# Altium PCB CHAHARDOLI-7 ADAD METAL.PcbDoc (part 8 of 10)
Units mm, origin at the board's own origin, x right, y up, seen from the top; angles counter-clockwise.
Board outline 151 x 86.38 mm, 2 copper layers (Top Layer, Bottom Layer); 1512 components, 81 nets, 3736 pads, 768 vias.
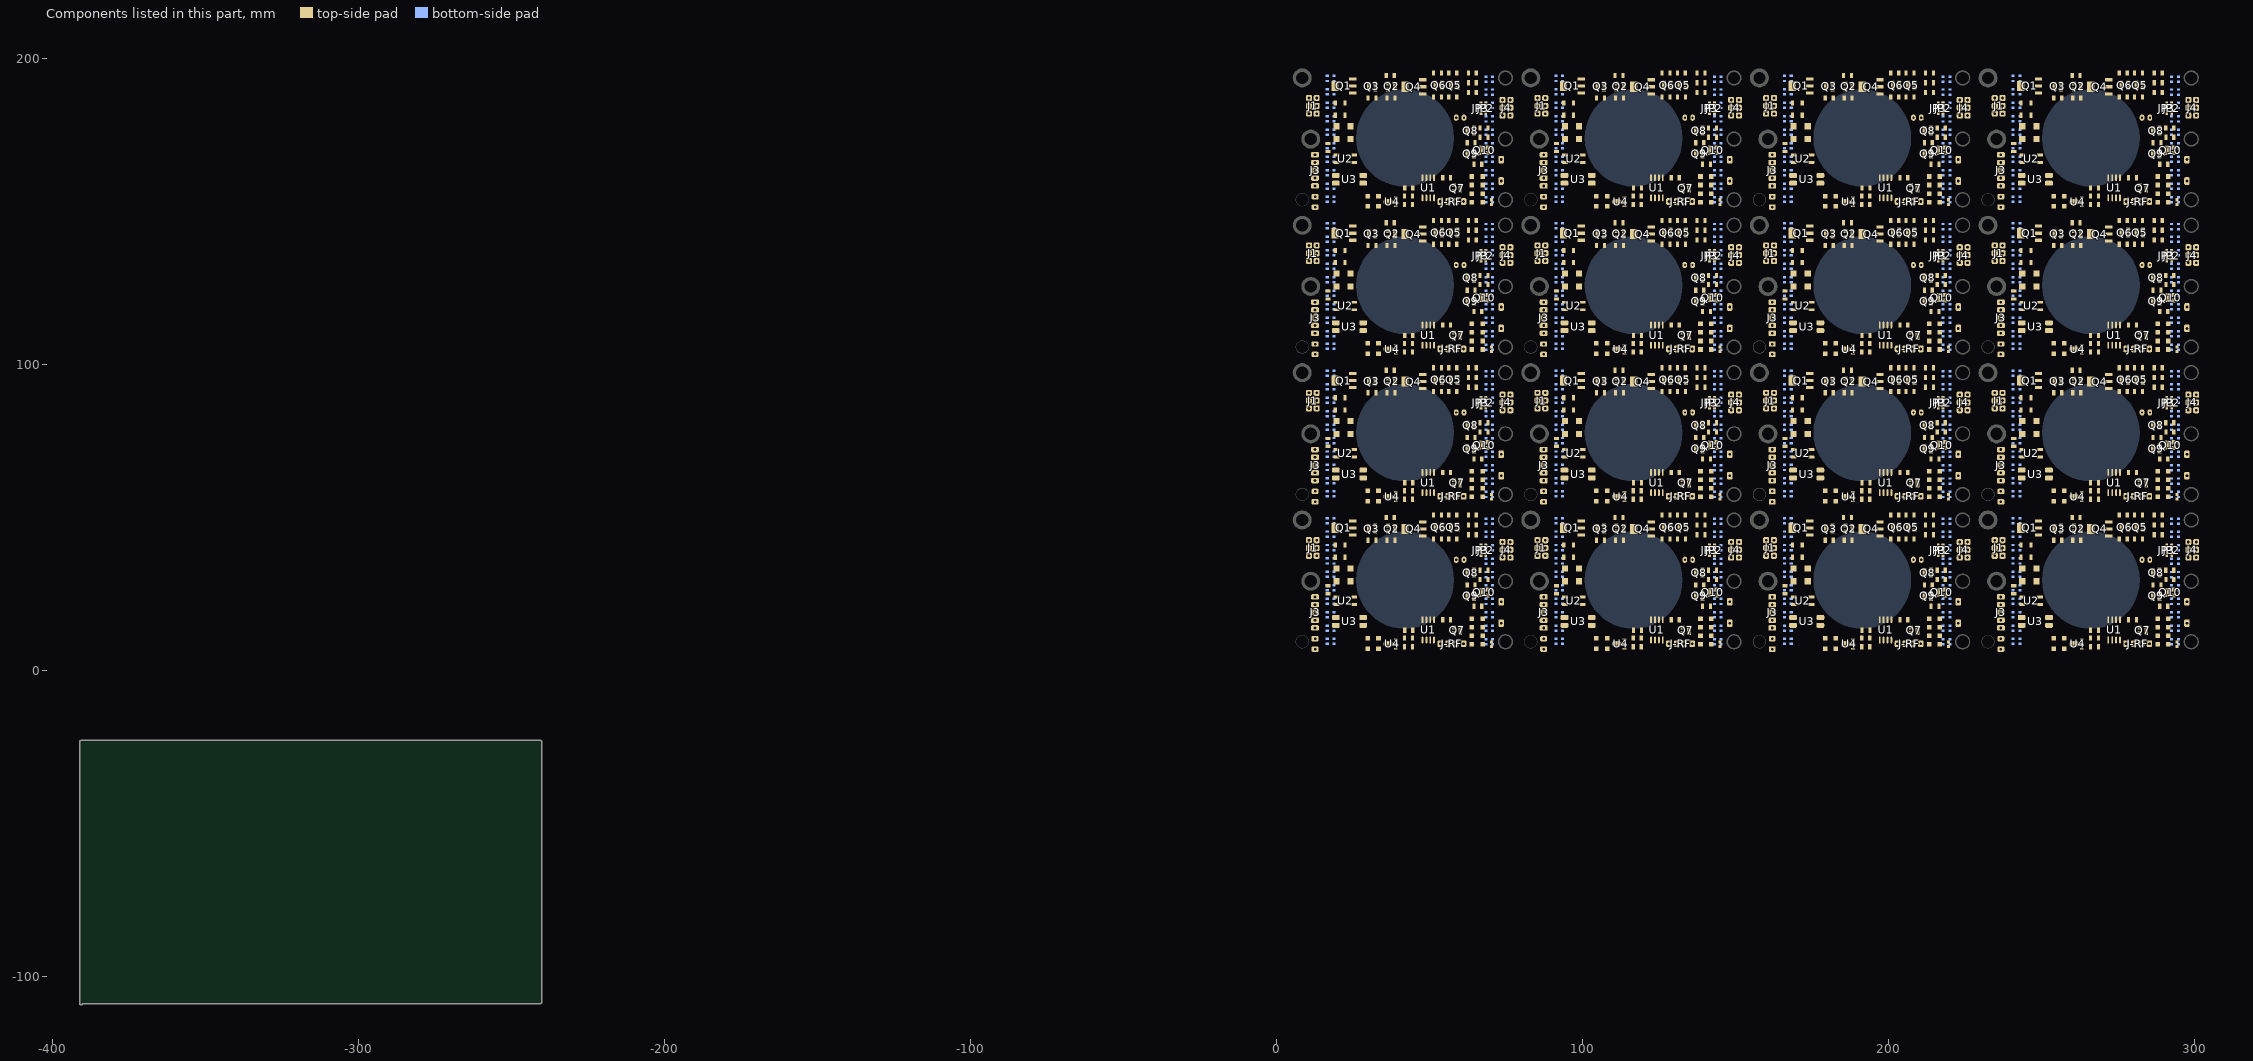
[diagram p8: the components of this part, seen from the top]

## Via types
v1: diameter 1.2, hole 0.6, Top Layer to Bottom Layer, 496 vias
v2: diameter 1, hole 0.6, Top Layer to Bottom Layer, 128 vias
v3: diameter 0.9, hole 0.6, Top Layer to Bottom Layer, 128 vias
v4: diameter 1.27, hole 0.6, Top Layer to Bottom Layer, 16 vias

## Nets (pads, with @x,y where several pads share a name; then routed paths per layer and width w, separated by ;. In a path a pad name is that pad's centre, name@x,y a point inside that pad or via, vN(x,y) a via of type N, cw(c..) or ccw(c..) an arc to the next point about the centre after c; other vN are vias at no path point) (continued)
copper on no net: (continued)
  Bottom Layer w0.4: 165.916,30.505 165.916,29.574 167.012,28.478 167.012,25.21 166.212,24.41 166.212,23.148 ; 165.916,78.65 165.916,77.719 167.012,76.624 167.012,73.355 166.212,72.555 166.212,71.293 ; 165.916,126.796 165.916,125.864 167.012,124.769 167.012,121.5 166.212,120.7 166.212,119.438 ; 165.916,174.941 165.916,174.009 167.012,172.914 167.012,169.645 166.212,168.845 166.212,167.583 ; 167.919,10.541 167.913,10.547 167.913,11.308 167.012,12.21 167.012,15.41 168.112,16.51 168.112,16.898 ; 167.919,58.686 167.913,58.692 167.913,59.453 167.012,60.355 167.012,63.555 168.112,64.655 168.112,65.043 ; 167.919,106.832 167.913,106.837 167.913,107.599 167.012,108.5 167.012,111.7 168.112,112.8 168.112,113.188 ; 167.919,154.977 167.913,154.982 167.913,155.744 167.012,156.645 167.012,159.845 168.112,160.945 168.112,161.333 ; 168.008,36.552 168.008,36.644 168.112,36.748 168.112,37.549 167.012,38.649 167.012,41.918 167.912,42.818 167.912,43.498 168.112,43.698 ; 168.008,84.697 168.008,84.789 168.112,84.893 168.112,85.695 167.012,86.795 167.012,90.063 167.912,90.963 167.912,91.643 168.112,91.843 ; 168.008,132.842 168.008,132.934 168.112,133.038 168.112,133.84 167.012,134.94 167.012,138.208 167.912,139.108 167.912,139.788 168.112,139.988 ; 168.008,180.987 168.008,181.079 168.112,181.183 168.112,181.985 167.012,183.085 167.012,186.353 167.912,187.253 167.912,187.933 168.112,188.133 ; 168.024,18.948 168.024,19.06 168.112,19.148 168.112,19.949 167.012,21.049 167.012,24.01 168.112,25.11 168.112,26.098 ; 168.024,67.093 168.024,67.205 168.112,67.293 168.112,68.095 167.012,69.195 167.012,72.155 168.112,73.255 168.112,74.243 ; 168.024,115.238 168.024,115.351 168.112,115.438 168.112,116.24 167.012,117.34 167.012,120.3 168.112,121.4 168.112,122.388 ; 168.024,163.383 168.024,163.496 168.112,163.583 168.112,164.385 167.012,165.485 167.012,168.445 168.112,169.545 168.112,170.533 ; 168.042,48.11 168.222,47.93 168.892,47.93 169.312,47.51 169.312,41.51 168.905,41.103 168.267,41.103 168.112,40.948 ; 168.042,96.255 168.222,96.075 168.892,96.075 169.312,95.655 169.312,89.655 168.905,89.248 168.267,89.248 168.112,89.093 ; 168.042,144.4 168.222,144.22 168.892,144.22 169.312,143.8 169.312,137.8 168.905,137.393 168.267,137.393 168.112,137.238 ; 168.042,192.545 168.222,192.365 168.892,192.365 169.312,191.945 169.312,185.945 168.905,185.538 168.267,185.538 168.112,185.383 ; 168.112,8.698 168.312,8.898 168.7,8.898 169.747,9.945 171.877,9.945 174.912,6.91 214.512,6.91 215.712,8.11 215.712,43.675 215.759,43.722 215.759,44.04 215.912,44.193 215.912,44.51 216.846,45.444 217.589,45.444 217.712,45.322 ; 168.112,12.898 168.28,12.73 170.223,12.73 175.243,7.71 199.243,7.71 202.043,10.51 212.512,10.51 214.762,12.76 214.762,41.46 214.512,41.71 214.512,45.91 v1(215.912,47.31) 215.912,48.11 217.124,49.322 217.512,49.322 217.712,49.522 ; 168.112,23.348 168.274,23.51 168.912,23.51 169.312,23.91 169.312,29.91 168.912,30.31 168.412,30.31 168.28,30.441 168.28,30.53 ; 168.112,27.748 168.108,27.752 168.108,28.514 167.012,29.61 167.012,33.01 168.112,34.11 168.112,34.898 ; 168.112,32.148 168.274,32.31 168.912,32.31 169.312,32.71 169.312,38.71 168.892,39.13 168.38,39.13 168.228,39.282 ; 168.112,45.748 168.108,45.752 168.108,46.314 167.012,47.41 167.012,49.71 167.012,49.748 168.112,49.748 ; 168.112,56.843 168.312,57.043 168.7,57.043 169.747,58.09 171.877,58.09 174.912,55.055 214.512,55.055 215.712,56.255 215.712,91.821 215.759,91.868 215.759,92.185 215.912,92.338 215.912,92.655 216.846,93.589 217.589,93.589 217.712,93.467 ; 168.112,61.043 168.28,60.875 170.223,60.875 175.243,55.855 199.243,55.855 202.043,58.655 212.512,58.655 214.762,60.905 214.762,89.605 214.512,89.855 214.512,94.055 v1(215.912,95.455) 215.912,96.255 217.124,97.467 217.512,97.467 217.712,97.667 ; 168.112,71.493 168.274,71.655 168.912,71.655 169.312,72.055 169.312,78.055 168.912,78.455 168.412,78.455 168.28,78.587 168.28,78.675 ; 168.112,75.893 168.108,75.897 168.108,76.659 167.012,77.755 167.012,81.155 168.112,82.255 168.112,83.043 ; 168.112,80.293 168.274,80.455 168.912,80.455 169.312,80.855 169.312,86.855 168.892,87.275 168.38,87.275 168.228,87.427 ; 168.112,93.893 168.108,93.897 168.108,94.459 167.012,95.555 167.012,97.855 167.012,97.893 168.112,97.893 ; 168.112,104.988 168.312,105.188 168.7,105.188 169.747,106.235 171.877,106.235 174.912,103.2 214.512,103.2 215.712,104.4 215.712,139.966 215.759,140.013 215.759,140.33 215.912,140.483 215.912,140.8 216.846,141.734 217.589,141.734 217.712,141.612 ; 168.112,109.188 168.28,109.02 170.223,109.02 175.243,104 199.243,104 202.043,106.8 212.512,106.8 214.762,109.05 214.762,137.75 214.512,138 214.512,142.2 v1(215.912,143.6) 215.912,144.4 217.124,145.612 217.512,145.612 217.712,145.812 ; 168.112,119.638 168.274,119.8 168.912,119.8 169.312,120.2 169.312,126.2 168.912,126.6 168.412,126.6 168.28,126.732 168.28,126.82 ; 168.112,124.038 168.108,124.042 168.108,124.804 167.012,125.9 167.012,129.3 168.112,130.4 168.112,131.188 ; 168.112,128.438 168.274,128.6 168.912,128.6 169.312,129 169.312,135 168.892,135.42 168.38,135.42 168.228,135.572 ; 168.112,142.038 168.108,142.042 168.108,142.604 167.012,143.7 167.012,146 167.012,146.038 168.112,146.038 ; 168.112,153.133 168.312,153.333 168.7,153.333 169.747,154.38 171.877,154.38 174.912,151.345 214.512,151.345 215.712,152.545 215.712,188.111 215.759,188.158 215.759,188.475 215.912,188.628 215.912,188.945 216.846,189.879 217.589,189.879 217.712,189.757 ; 168.112,157.333 168.28,157.165 170.223,157.165 175.243,152.145 199.243,152.145 202.043,154.945 212.512,154.945 214.762,157.195 214.762,185.895 214.512,186.145 214.512,190.345 v1(215.912,191.745) 215.912,192.545 217.124,193.757 217.512,193.757 217.712,193.957 ; 168.112,167.783 168.274,167.945 168.912,167.945 169.312,168.345 169.312,174.345 168.912,174.745 168.412,174.745 168.28,174.877 168.28,174.965 ; 168.112,172.183 168.108,172.187 168.108,172.949 167.012,174.045 167.012,177.445 168.112,178.545 168.112,179.333 ; 168.112,176.583 168.274,176.745 168.912,176.745 169.312,177.145 169.312,183.145 168.892,183.565 168.38,183.565 168.228,183.717 ; 168.112,190.183 168.108,190.187 168.108,190.749 167.012,191.845 167.012,194.145 167.012,194.183 168.112,194.183 ; 168.123,21.71 168.304,21.53 168.892,21.53 169.312,21.11 169.312,14.91 168.978,14.575 168.339,14.575 ; 168.123,69.855 168.304,69.675 168.892,69.675 169.312,69.255 169.312,63.055 168.978,62.721 168.339,62.721 ; 168.123,118 168.304,117.82 168.892,117.82 169.312,117.4 169.312,111.2 168.978,110.866 168.339,110.866 ; 168.123,166.145 168.304,165.965 168.892,165.965 169.312,165.545 169.312,159.345 168.978,159.011 168.339,159.011 ; v1(174.212,10.91) 174.537,10.91 174.937,11.31 176.712,11.31 178.612,9.41 198.612,9.41 201.312,12.11 210.112,12.11 213.162,15.16 213.162,38.46 211.312,40.31 211.312,44.11 210.112,45.31 v1(210.112,45.51) 210.312,45.51 216.124,51.322 219.5,51.322 220.112,50.71 220.112,49.522 ; v1(174.212,59.055) 174.537,59.055 174.937,59.455 176.712,59.455 178.612,57.555 198.612,57.555 201.312,60.255 210.112,60.255 213.162,63.305 213.162,86.605 211.312,88.455 211.312,92.255 210.112,93.455 v1(210.112,93.655) 210.312,93.655 216.124,99.467 219.5,99.467 220.112,98.855 220.112,97.667 ; v1(174.212,107.2) 174.537,107.2 174.937,107.6 176.712,107.6 178.612,105.7 198.612,105.7 201.312,108.4 210.112,108.4 213.162,111.45 213.162,134.75 211.312,136.6 211.312,140.4 210.112,141.6 v1(210.112,141.8) 210.312,141.8 216.124,147.612 219.5,147.612 220.112,147 220.112,145.812 ; v1(174.212,155.345) 174.537,155.345 174.937,155.745 176.712,155.745 178.612,153.845 198.612,153.845 201.312,156.545 210.112,156.545 213.162,159.595 213.162,182.895 211.312,184.745 211.312,188.545 210.112,189.745 v1(210.112,189.945) 210.312,189.945 216.124,195.757 219.5,195.757 220.112,195.145 220.112,193.957 ; v1(176.112,9.71) 177.212,8.61 199.012,8.61 201.712,11.31 211.112,11.31 213.962,14.16 213.962,39.68 212.912,40.73 v1(212.912,40.91) ; v1(176.112,57.855) 177.212,56.755 199.012,56.755 201.712,59.455 211.112,59.455 213.962,62.305 213.962,87.825 212.912,88.875 v1(212.912,89.055) ; v1(176.112,106) 177.212,104.9 199.012,104.9 201.712,107.6 211.112,107.6 213.962,110.45 213.962,135.97 212.912,137.02 v1(212.912,137.2) ; v1(176.112,154.145) 177.212,153.045 199.012,153.045 201.712,155.745 211.112,155.745 213.962,158.595 213.962,184.115 212.912,185.165 v1(212.912,185.345) ; v1@212.968,40.965 212.712,41.221 212.712,46.71 216.524,50.522 218.53,50.522 218.812,50.239 218.812,47.172 219.912,46.072 219.912,45.322 ; v1@212.968,89.111 212.712,89.366 212.712,94.855 216.524,98.667 218.53,98.667 218.812,98.385 218.812,95.317 219.912,94.217 219.912,93.467 ; v1@212.968,137.256 212.712,137.511 212.712,143 216.524,146.812 218.53,146.812 218.812,146.53 218.812,143.463 219.912,142.363 219.912,141.612 ; v1@212.968,185.401 212.712,185.656 212.712,191.145 216.524,194.957 218.53,194.957 218.812,194.675 218.812,191.608 219.912,190.508 219.912,189.757 ; 217.512,5.91 217.512,8.51 217.712,8.71 218.578,8.71 ; 217.512,54.055 217.512,56.655 217.712,56.855 218.578,56.855 ; 217.512,102.2 217.512,104.8 217.712,105 218.578,105 ; 217.512,150.345 217.512,152.945 217.712,153.145 218.578,153.145 ; 217.712,8.672 219.912,8.672 ; 217.712,10.322 216.846,10.322 216.612,10.556 216.612,17.075 216.846,17.31 217.712,17.31 ; 217.712,13.083 217.712,12.872 217.712,11.91 218.812,10.81 218.812,8.71 ; 217.712,18.96 216.846,18.96 216.612,19.194 216.612,25.837 216.846,26.072 217.712,26.072 ; 217.712,21.683 217.8,21.683 218.012,21.472 218.012,20.678 218.812,19.878 218.812,16.513 218.012,15.713 218.012,14.833 217.912,14.733 ; 217.712,23.122 217.798,23.207 ; 217.712,27.722 216.846,27.722 216.612,27.956 216.612,34.637 216.846,34.872 217.712,34.872 ; 217.712,30.472 217.712,29.792 218.812,28.692 218.812,25.101 217.798,24.087 217.798,23.407 ; 217.712,32.122 217.712,32.91 218.812,34.01 218.812,37.41 217.712,38.51 217.712,38.872 ; 217.712,36.522 217.629,36.604 216.846,36.604 216.612,36.839 216.612,42.572 217.412,43.372 217.412,43.472 217.612,43.672 217.712,43.672 ; 217.712,40.922 217.712,41.91 218.812,43.01 218.812,45.97 217.712,47.07 217.712,47.672 ; 217.712,56.817 219.912,56.817 ; 217.712,58.467 216.846,58.467 216.612,58.701 216.612,65.221 216.846,65.455 217.712,65.455 ; 217.712,61.228 217.712,61.017 217.712,60.055 218.812,58.955 218.812,56.855 ; 217.712,67.105 216.846,67.105 216.612,67.339 216.612,73.982 216.846,74.217 217.712,74.217 ; 217.712,69.828 217.8,69.828 218.012,69.617 218.012,68.824 218.812,68.024 218.812,64.658 218.012,63.858 218.012,62.978 217.912,62.878 ; 217.712,71.267 217.798,71.352 ; 217.712,75.867 216.846,75.867 216.612,76.101 216.612,82.782 216.846,83.017 217.712,83.017 ; 217.712,78.617 217.712,77.937 218.812,76.837 218.812,73.247 217.798,72.232 217.798,71.552 ; 217.712,80.267 217.712,81.055 218.812,82.155 218.812,85.555 217.712,86.655 217.712,87.017 ; 217.712,84.667 217.629,84.75 216.846,84.75 216.612,84.984 216.612,90.717 217.412,91.517 217.412,91.617 217.612,91.817 217.712,91.817 ; 217.712,89.067 217.712,90.055 218.812,91.155 218.812,94.115 217.712,95.215 217.712,95.817 ; 217.712,104.962 219.912,104.962 ; 217.712,106.612 216.846,106.612 216.612,106.846 216.612,113.366 216.846,113.6 217.712,113.6 ; 217.712,109.374 217.712,109.162 217.712,108.2 218.812,107.1 218.812,105 ; 217.712,115.25 216.846,115.25 216.612,115.484 216.612,122.127 216.846,122.362 217.712,122.362 ; 217.712,117.974 217.8,117.974 218.012,117.762 218.012,116.969 218.812,116.169 218.812,112.804 218.012,112.004 218.012,111.124 217.912,111.024 ; 217.712,119.412 217.798,119.498 ; 217.712,124.012 216.846,124.012 216.612,124.246 216.612,130.927 216.846,131.162 217.712,131.162 ; 217.712,126.762 217.712,126.082 218.812,124.982 218.812,121.392 217.798,120.377 217.798,119.698 ; 217.712,128.412 217.712,129.2 218.812,130.3 218.812,133.7 217.712,134.8 217.712,135.162 ; 217.712,132.812 217.629,132.895 216.846,132.895 216.612,133.129 216.612,138.862 217.412,139.662 217.412,139.762 217.612,139.962 217.712,139.962 ; 217.712,137.212 217.712,138.2 218.812,139.3 218.812,142.26 217.712,143.36 217.712,143.962 ; 217.712,153.107 219.912,153.107 ; 217.712,154.757 216.846,154.757 216.612,154.991 216.612,161.511 216.846,161.745 217.712,161.745 ; 217.712,157.519 217.712,157.307 217.712,156.345 218.812,155.245 218.812,153.145 ; 217.712,163.395 216.846,163.395 216.612,163.629 216.612,170.273 216.846,170.507 217.712,170.507 ; 217.712,166.119 217.8,166.119 218.012,165.907 218.012,165.114 218.812,164.314 218.812,160.949 218.012,160.149 218.012,159.269 217.912,159.169 ; 217.712,167.557 217.798,167.643 ; 217.712,172.157 216.846,172.157 216.612,172.391 216.612,179.073 216.846,179.307 217.712,179.307 ; 217.712,174.907 217.712,174.227 218.812,173.127 218.812,169.537 217.798,168.523 217.798,167.843 ; 217.712,176.557 217.712,177.345 218.812,178.445 218.812,181.845 217.712,182.945 217.712,183.307 ; 217.712,180.957 217.629,181.04 216.846,181.04 216.612,181.274 216.612,187.007 217.412,187.807 217.412,187.907 217.612,188.107 217.712,188.107 ; 217.712,185.357 217.712,186.345 218.812,187.445 218.812,190.405 217.712,191.505 217.712,192.107 ; 219.805,39.31 220.043,39.072 220.55,39.072 221.112,38.51 221.112,32.91 220.524,32.322 220.112,32.322 219.912,32.122 ; 219.805,87.455 220.043,87.217 220.55,87.217 221.112,86.655 221.112,81.055 220.524,80.467 220.112,80.467 219.912,80.267 ; 219.805,135.6 220.043,135.362 220.55,135.362 221.112,134.8 221.112,129.2 220.524,128.612 220.112,128.612 219.912,128.412 ; 219.805,183.745 220.043,183.507 220.55,183.507 221.112,182.945 221.112,177.345 220.524,176.757 220.112,176.757 219.912,176.557 ; 219.912,8.472 220.112,8.672 220.274,8.672 220.474,8.872 221.012,9.41 221.012,12.41 220.538,12.883 220.178,12.883 219.951,13.11 ; 219.912,10.122 219.912,10.91 218.812,12.01 218.812,15.382 219.908,16.478 219.908,17.268 219.912,17.272 ; 219.912,18.922 219.912,19.91 218.812,21.01 218.812,22.673 218.812,23.97 219.912,25.07 219.912,26.072 ; 219.912,23.333 220.1,23.522 220.524,23.522 221.012,24.01 221.012,29.81 220.55,30.272 220.212,30.272 219.992,30.492 219.992,30.509 ; 219.912,27.722 219.748,27.886 219.748,28.887 218.812,29.823 218.812,31.99 218.812,32.77 219.908,33.866 219.908,34.868 219.912,34.872 ; 219.912,36.522 219.912,37.523 218.812,38.623 218.812,41.61 219.912,42.71 219.912,43.672 ; 219.912,40.922 220.112,41.122 220.524,41.122 221.112,41.71 221.112,46.572 220.012,47.672 219.912,47.672 ; 219.912,56.617 220.112,56.817 220.274,56.817 220.474,57.017 221.012,57.555 221.012,60.555 220.538,61.028 220.178,61.028 219.951,61.255 ; 219.912,58.267 219.912,59.055 218.812,60.155 218.812,63.527 219.908,64.623 219.908,65.413 219.912,65.417 ; 219.912,67.067 219.912,68.055 218.812,69.155 218.812,70.818 218.812,72.115 219.912,73.215 219.912,74.217 ; 219.912,71.478 220.1,71.667 220.524,71.667 221.012,72.155 221.012,77.955 220.55,78.417 220.212,78.417 219.992,78.637 219.992,78.654 ; 219.912,75.867 219.748,76.031 219.748,77.032 218.812,77.968 218.812,80.135 218.812,80.915 219.908,82.011 219.908,83.013 219.912,83.017 ; 219.912,84.667 219.912,85.668 218.812,86.768 218.812,89.755 219.912,90.855 219.912,91.817 ; 219.912,89.067 220.112,89.267 220.524,89.267 221.112,89.855 221.112,94.717 220.012,95.817 219.912,95.817 ; 219.912,104.762 220.112,104.962 220.274,104.962 220.474,105.162 221.012,105.7 221.012,108.7 220.538,109.174 220.178,109.174 219.951,109.4 ; 219.912,106.412 219.912,107.2 218.812,108.3 218.812,111.672 219.908,112.768 219.908,113.558 219.912,113.562 ; 219.912,115.212 219.912,116.2 218.812,117.3 218.812,118.963 218.812,120.26 219.912,121.36 219.912,122.362 ; 219.912,119.624 220.1,119.812 220.524,119.812 221.012,120.3 221.012,126.1 220.55,126.562 220.212,126.562 219.992,126.782 219.992,126.799 ; 219.912,124.012 219.748,124.176 219.748,125.177 218.812,126.113 218.812,128.28 218.812,129.06 219.908,130.156 219.908,131.158 219.912,131.162 ; 219.912,132.812 219.912,133.813 218.812,134.913 218.812,137.9 219.912,139 219.912,139.962 ; 219.912,137.212 220.112,137.412 220.524,137.412 221.112,138 221.112,142.862 220.012,143.962 219.912,143.962 ; 219.912,152.907 220.112,153.107 220.274,153.107 220.474,153.307 221.012,153.845 221.012,156.845 220.538,157.319 220.178,157.319 219.951,157.545 ; 219.912,154.557 219.912,155.345 218.812,156.445 218.812,159.817 219.908,160.913 219.908,161.703 219.912,161.707 ; 219.912,163.357 219.912,164.345 218.812,165.445 218.812,167.108 218.812,168.405 219.912,169.505 219.912,170.507 ; 219.912,167.769 220.1,167.957 220.524,167.957 221.012,168.445 221.012,174.245 220.55,174.707 220.212,174.707 219.992,174.927 219.992,174.944 ; 219.912,172.157 219.748,172.321 219.748,173.323 218.812,174.258 218.812,176.426 218.812,177.205 219.908,178.302 219.908,179.303 219.912,179.307 ; 219.912,180.957 219.912,181.958 218.812,183.058 218.812,186.045 219.912,187.145 219.912,188.107 ; 219.912,185.357 220.112,185.557 220.524,185.557 221.112,186.145 221.112,191.007 220.012,192.107 219.912,192.107 ; 219.942,21.71 220.181,21.472 220.55,21.472 221.012,21.01 221.012,15.41 220.535,14.933 220.212,14.933 220.112,14.833 ; 219.942,69.855 220.181,69.617 220.55,69.617 221.012,69.155 221.012,63.555 220.535,63.078 220.212,63.078 220.112,62.978 ; 219.942,118 220.181,117.762 220.55,117.762 221.012,117.3 221.012,111.7 220.535,111.224 220.212,111.224 220.112,111.124 ; 219.942,166.145 220.181,165.907 220.55,165.907 221.012,165.445 221.012,159.845 220.535,159.369 220.212,159.369 220.112,159.269 ; 240.57,39.428 240.9,39.098 240.9,38.318 241.7,37.518 241.7,34.21 240.604,33.114 240.604,32.352 240.6,32.348 ; 240.57,87.573 240.9,87.243 240.9,86.463 241.7,85.663 241.7,82.355 240.604,81.259 240.604,80.497 240.6,80.493 ; 240.57,135.718 240.9,135.388 240.9,134.608 241.7,133.808 241.7,130.5 240.604,129.404 240.604,128.642 240.6,128.638 ; 240.57,183.864 240.9,183.533 240.9,182.753 241.7,181.953 241.7,178.645 240.604,177.549 240.604,176.787 240.6,176.783 ; 240.6,8.698 240.588,8.686 240.588,7.544 241.234,6.898 245.931,6.898 246.565,7.532 246.831,7.532 v1(246.849,7.55) ; 240.6,10.348 240.4,10.548 239.962,10.548 239.5,11.01 239.5,16.61 239.988,17.098 240.4,17.098 240.6,17.298 ; 240.6,12.698 240.88,12.698 240.88,11.898 241.7,11.078 241.7,8.01 242.012,7.698 243.549,7.698 243.56,7.71 244.4,7.71 244.961,8.271 v1(244.961,8.491) ; 240.6,18.948 240.4,19.148 239.962,19.148 239.5,19.61 239.5,25.41 239.988,25.898 240.4,25.898 240.6,26.098 ; 240.6,21.698 240.686,21.612 240.686,20.932 241.7,19.918 241.7,16.649 240.6,15.549 240.6,14.648 240.9,14.348 ; 240.6,27.748 240.4,27.948 239.962,27.948 239.5,28.41 239.5,34.21 239.988,34.698 240.4,34.698 240.6,34.898 ; 240.6,36.548 240.4,36.748 239.962,36.748 239.5,37.21 239.5,43.01 239.988,43.498 240.6,43.498 240.684,43.582 ; 240.6,45.348 240.4,45.548 239.962,45.548 239.4,46.11 239.4,49.475 239.634,49.71 240.562,49.71 240.6,49.748 ; 240.6,48.098 240.6,47.218 241.7,46.118 241.7,43.049 240.6,41.949 240.6,41.148 240.8,40.948 ; 240.6,56.843 240.588,56.831 240.588,55.689 241.234,55.043 245.931,55.043 246.565,55.677 246.831,55.677 v1(246.849,55.695) ; 240.6,58.493 240.4,58.693 239.962,58.693 239.5,59.155 239.5,64.755 239.988,65.243 240.4,65.243 240.6,65.443 ; 240.6,60.843 240.88,60.843 240.88,60.043 241.7,59.224 241.7,56.155 242.012,55.843 243.549,55.843 243.56,55.855 244.4,55.855 244.961,56.416 v1(244.961,56.636) ; 240.6,67.093 240.4,67.293 239.962,67.293 239.5,67.755 239.5,73.555 239.988,74.043 240.4,74.043 240.6,74.243 ; 240.6,69.843 240.686,69.757 240.686,69.077 241.7,68.063 241.7,64.795 240.6,63.695 240.6,62.793 240.9,62.493 ; 240.6,75.893 240.4,76.093 239.962,76.093 239.5,76.555 239.5,82.355 239.988,82.843 240.4,82.843 240.6,83.043 ; 240.6,84.693 240.4,84.893 239.962,84.893 239.5,85.355 239.5,91.155 239.988,91.643 240.6,91.643 240.684,91.727 ; 240.6,93.493 240.4,93.693 239.962,93.693 239.4,94.255 239.4,97.621 239.634,97.855 240.562,97.855 240.6,97.893 ; 240.6,96.243 240.6,95.363 241.7,94.263 241.7,91.195 240.6,90.095 240.6,89.293 240.8,89.093 ; 240.6,104.988 240.588,104.976 240.588,103.834 241.234,103.188 245.931,103.188 246.565,103.822 246.831,103.822 v1(246.849,103.84) ; 240.6,106.638 240.4,106.838 239.962,106.838 239.5,107.3 239.5,112.9 239.988,113.388 240.4,113.388 240.6,113.588 ; 240.6,108.988 240.88,108.988 240.88,108.188 241.7,107.369 241.7,104.3 242.012,103.988 243.549,103.988 243.56,104 244.4,104 244.961,104.561 v1(244.961,104.781) ; 240.6,115.238 240.4,115.438 239.962,115.438 239.5,115.9 239.5,121.7 239.988,122.188 240.4,122.188 240.6,122.388 ; 240.6,117.988 240.686,117.902 240.686,117.223 241.7,116.208 241.7,112.94 240.6,111.84 240.6,110.938 240.9,110.638 ; 240.6,124.038 240.4,124.238 239.962,124.238 239.5,124.7 239.5,130.5 239.988,130.988 240.4,130.988 240.6,131.188 ; 240.6,132.838 240.4,133.038 239.962,133.038 239.5,133.5 239.5,139.3 239.988,139.788 240.6,139.788 240.684,139.872 ; 240.6,141.638 240.4,141.838 239.962,141.838 239.4,142.4 239.4,145.766 239.634,146 240.562,146 240.6,146.038 ; 240.6,144.388 240.6,143.508 241.7,142.408 241.7,139.34 240.6,138.24 240.6,137.438 240.8,137.238 ; 240.6,153.133 240.588,153.121 240.588,151.979 241.234,151.333 245.931,151.333 246.565,151.967 246.831,151.967 v1(246.849,151.985) ; 240.6,154.783 240.4,154.983 239.962,154.983 239.5,155.445 239.5,161.045 239.988,161.533 240.4,161.533 240.6,161.733 ; 240.6,157.133 240.88,157.133 240.88,156.333 241.7,155.514 241.7,152.445 242.012,152.133 243.549,152.133 243.56,152.145 244.4,152.145 244.961,152.706 v1(244.961,152.927) ; 240.6,163.383 240.4,163.583 239.962,163.583 239.5,164.045 239.5,169.845 239.988,170.333 240.4,170.333 240.6,170.533 ; 240.6,166.133 240.686,166.048 240.686,165.368 241.7,164.353 241.7,161.085 240.6,159.985 240.6,159.083 240.9,158.783 ; 240.6,172.183 240.4,172.383 239.962,172.383 239.5,172.845 239.5,178.645 239.988,179.133 240.4,179.133 240.6,179.333 ; 240.6,180.983 240.4,181.183 239.962,181.183 239.5,181.645 239.5,187.445 239.988,187.933 240.6,187.933 240.684,188.017 ; 240.6,189.783 240.4,189.983 239.962,189.983 239.4,190.545 239.4,193.911 239.634,194.145 240.562,194.145 240.6,194.183 ; 240.6,192.533 240.6,191.653 241.7,190.553 241.7,187.485 240.6,186.385 240.6,185.583 240.8,185.383 ; 240.604,30.505 240.604,29.574 241.7,28.478 241.7,25.21 240.9,24.41 240.9,23.148 ; 240.604,78.651 240.604,77.719 241.7,76.624 241.7,73.355 240.9,72.555 240.9,71.293 ; 240.604,126.796 240.604,125.864 241.7,124.769 241.7,121.5 240.9,120.7 240.9,119.438 ; 240.604,174.941 240.604,174.009 241.7,172.914 241.7,169.645 240.9,168.845 240.9,167.583 ; 242.607,10.541 242.601,10.547 242.601,11.308 241.7,12.21 241.7,15.41 242.8,16.51 242.8,16.898 ; 242.607,58.686 242.601,58.692 242.601,59.453 241.7,60.355 241.7,63.555 242.8,64.655 242.8,65.043 ; 242.607,106.832 242.601,106.837 242.601,107.599 241.7,108.5 241.7,111.7 242.8,112.8 242.8,113.188 ; 242.607,154.977 242.601,154.982 242.601,155.744 241.7,156.645 241.7,159.845 242.8,160.945 242.8,161.333 ; 242.696,36.552 242.696,36.644 242.8,36.748 242.8,37.549 241.7,38.649 241.7,41.918 242.6,42.818 242.6,43.498 242.8,43.698 ; 242.696,84.697 242.696,84.789 242.8,84.893 242.8,85.695 241.7,86.795 241.7,90.063 242.6,90.963 242.6,91.643 242.8,91.843 ; 242.696,132.842 242.696,132.934 242.8,133.038 242.8,133.84 241.7,134.94 241.7,138.208 242.6,139.108 242.6,139.788 242.8,139.988 ; 242.696,180.987 242.696,181.079 242.8,181.183 242.8,181.985 241.7,183.085 241.7,186.353 242.6,187.253 242.6,187.933 242.8,188.133 ; 242.712,18.948 242.712,19.06 242.8,19.148 242.8,19.949 241.7,21.049 241.7,24.01 242.8,25.11 242.8,26.098 ; 242.712,67.093 242.712,67.205 242.8,67.293 242.8,68.095 241.7,69.195 241.7,72.155 242.8,73.255 242.8,74.243 ; 242.712,115.238 242.712,115.351 242.8,115.438 242.8,116.24 241.7,117.34 241.7,120.3 242.8,121.4 242.8,122.388 ; 242.712,163.383 242.712,163.496 242.8,163.583 242.8,164.385 241.7,165.485 241.7,168.445 242.8,169.545 242.8,170.533 ; 242.73,48.11 242.91,47.93 243.58,47.93 244,47.51 244,41.51 243.593,41.103 242.955,41.103 242.8,40.948 ; 242.73,96.255 242.91,96.075 243.58,96.075 244,95.655 244,89.655 243.593,89.248 242.955,89.248 242.8,89.093 ; 242.73,144.4 242.91,144.22 243.58,144.22 244,143.8 244,137.8 243.593,137.393 242.955,137.393 242.8,137.238 ; 242.73,192.545 242.91,192.365 243.58,192.365 244,191.945 244,185.945 243.593,185.539 242.955,185.539 242.8,185.383 ; 242.8,8.698 243,8.898 243.388,8.898 244.435,9.945 246.565,9.945 249.6,6.91 289.2,6.91 290.4,8.11 290.4,43.675 290.447,43.722 290.447,44.04 290.6,44.193 290.6,44.51 291.534,45.444 292.277,45.444 292.4,45.322 ; 242.8,12.898 242.968,12.73 244.912,12.73 249.931,7.71 273.931,7.71 276.731,10.51 287.2,10.51 289.45,12.76 289.45,41.46 289.2,41.71 289.2,45.91 v1(290.6,47.31) 290.6,48.11 291.812,49.322 292.2,49.322 292.4,49.522 ; 242.8,23.348 242.962,23.51 243.6,23.51 244,23.91 244,29.91 243.6,30.31 243.1,30.31 242.968,30.441 242.968,30.53 ; 242.8,27.748 242.796,27.752 242.796,28.514 241.7,29.61 241.7,33.01 242.8,34.11 242.8,34.898 ; 242.8,32.148 242.962,32.31 243.6,32.31 244,32.71 244,38.71 243.58,39.13 243.068,39.13 242.916,39.282 ; 242.8,45.748 242.796,45.752 242.796,46.314 241.7,47.41 241.7,49.71 241.7,49.748 242.8,49.748 ; 242.8,56.843 243,57.043 243.388,57.043 244.435,58.09 246.565,58.09 249.6,55.055 289.2,55.055 290.4,56.255 290.4,91.821 290.447,91.868 290.447,92.185 290.6,92.338 290.6,92.655 291.534,93.589 292.277,93.589 292.4,93.467 ; 242.8,61.043 242.968,60.875 244.912,60.875 249.931,55.855 273.931,55.855 276.731,58.655 287.2,58.655 289.45,60.905 289.45,89.605 289.2,89.855 289.2,94.055 v1(290.6,95.455) 290.6,96.255 291.812,97.467 292.2,97.467 292.4,97.667 ; 242.8,71.493 242.962,71.655 243.6,71.655 244,72.055 244,78.055 243.6,78.455 243.1,78.455 242.968,78.587 242.968,78.675 ; 242.8,75.893 242.796,75.897 242.796,76.659 241.7,77.755 241.7,81.155 242.8,82.255 242.8,83.043 ; 242.8,80.293 242.962,80.455 243.6,80.455 244,80.855 244,86.855 243.58,87.275 243.068,87.275 242.916,87.427 ; 242.8,93.893 242.796,93.897 242.796,94.459 241.7,95.555 241.7,97.855 241.7,97.893 242.8,97.893 ; 242.8,104.988 243,105.188 243.388,105.188 244.435,106.235 246.565,106.235 249.6,103.2 289.2,103.2 290.4,104.4 290.4,139.966 290.447,140.013 290.447,140.33 290.6,140.483 290.6,140.8 291.534,141.734 292.277,141.734 292.4,141.612 ; 242.8,109.188 242.968,109.02 244.912,109.02 249.931,104 273.931,104 276.731,106.8 287.2,106.8 289.45,109.05 289.45,137.75 289.2,138 289.2,142.2 v1(290.6,143.6) 290.6,144.4 291.812,145.612 292.2,145.612 292.4,145.812 ; 242.8,119.638 242.962,119.8 243.6,119.8 244,120.2 244,126.2 243.6,126.6 243.1,126.6 242.968,126.732 242.968,126.82 ; 242.8,124.038 242.796,124.042 242.796,124.804 241.7,125.9 241.7,129.3 242.8,130.4 242.8,131.188 ; 242.8,128.438 242.962,128.6 243.6,128.6 244,129 244,135 243.58,135.42 243.068,135.42 242.916,135.572 ; 242.8,142.038 242.796,142.042 242.796,142.604 241.7,143.7 241.7,146 241.7,146.038 242.8,146.038 ; 242.8,153.133 243,153.333 243.388,153.333 244.435,154.38 246.565,154.38 249.6,151.345 289.2,151.345 290.4,152.545 290.4,188.111 290.447,188.158 290.447,188.475 290.6,188.628 290.6,188.945 291.534,189.879 292.277,189.879 292.4,189.757 ; 242.8,157.333 242.968,157.165 244.912,157.165 249.931,152.145 273.931,152.145 276.731,154.945 287.2,154.945 289.45,157.195 289.45,185.895 289.2,186.145 289.2,190.345 v1(290.6,191.745) 290.6,192.545 291.812,193.757 292.2,193.757 292.4,193.957 ; 242.8,167.783 242.962,167.945 243.6,167.945 244,168.345 244,174.345 243.6,174.745 243.1,174.745 242.968,174.877 242.968,174.965 ; 242.8,172.183 242.796,172.187 242.796,172.949 241.7,174.045 241.7,177.445 242.8,178.545 242.8,179.333 ; 242.8,176.583 242.962,176.745 243.6,176.745 244,177.145 244,183.145 243.58,183.565 243.068,183.565 242.916,183.717 ; 242.8,190.183 242.796,190.187 242.796,190.749 241.7,191.845 241.7,194.145 241.7,194.183 242.8,194.183 ; 242.812,21.71 242.992,21.53 243.58,21.53 244,21.11 244,14.91 243.666,14.575 243.027,14.575 ; 242.812,69.855 242.992,69.675 243.58,69.675 244,69.255 244,63.055 243.666,62.721 243.027,62.721 ; 242.812,118 242.992,117.82 243.58,117.82 244,117.4 244,111.2 243.666,110.866 243.027,110.866 ; 242.812,166.145 242.992,165.965 243.58,165.965 244,165.545 244,159.345 243.666,159.011 243.027,159.011 ; v1(248.9,10.91) 249.225,10.91 249.625,11.31 251.4,11.31 253.3,9.41 273.3,9.41 276,12.11 284.8,12.11 287.85,15.16 287.85,38.46 286,40.31 286,44.11 284.8,45.31 v1(284.8,45.51) 285,45.51 290.812,51.322 294.188,51.322 294.8,50.71 294.8,49.522 ; v1(248.9,59.055) 249.225,59.055 249.625,59.455 251.4,59.455 253.3,57.555 273.3,57.555 276,60.255 284.8,60.255 287.85,63.305 287.85,86.605 286,88.455 286,92.255 284.8,93.455 v1(284.8,93.655) 285,93.655 290.812,99.467 294.188,99.467 294.8,98.855 294.8,97.667 ; v1(248.9,107.2) 249.225,107.2 249.625,107.6 251.4,107.6 253.3,105.7 273.3,105.7 276,108.4 284.8,108.4 287.85,111.45 287.85,134.75 286,136.6 286,140.4 284.8,141.6 v1(284.8,141.8) 285,141.8 290.812,147.612 294.188,147.612 294.8,147 294.8,145.812 ; v1(248.9,155.345) 249.225,155.345 249.625,155.745 251.4,155.745 253.3,153.845 273.3,153.845 276,156.545 284.8,156.545 287.85,159.595 287.85,182.895 286,184.745 286,188.545 284.8,189.745 v1(284.8,189.945) 285,189.945 290.812,195.757 294.188,195.757 294.8,195.145 294.8,193.957 ; v1(250.8,9.71) 251.9,8.61 273.7,8.61 276.4,11.31 285.8,11.31 288.65,14.16 288.65,39.68 287.6,40.73 v1(287.6,40.91) ; v1(250.8,57.855) 251.9,56.755 273.7,56.755 276.4,59.455 285.8,59.455 288.65,62.305 288.65,87.825 287.6,88.875 v1(287.6,89.055) ; v1(250.8,106) 251.9,104.9 273.7,104.9 276.4,107.6 285.8,107.6 288.65,110.45 288.65,135.97 287.6,137.02 v1(287.6,137.2) ; v1(250.8,154.145) 251.9,153.045 273.7,153.045 276.4,155.745 285.8,155.745 288.65,158.595 288.65,184.115 287.6,185.165 v1(287.6,185.345) ; v1@287.656,40.965 287.4,41.221 287.4,46.71 291.212,50.522 293.218,50.522 293.5,50.239 293.5,47.172 294.6,46.072 294.6,45.322 ; v1@287.656,89.111 287.4,89.366 287.4,94.855 291.212,98.667 293.218,98.667 293.5,98.385 293.5,95.317 294.6,94.217 294.6,93.467 ; v1@287.656,137.256 287.4,137.511 287.4,143 291.212,146.812 293.218,146.812 293.5,146.53 293.5,143.463 294.6,142.363 294.6,141.612 ; v1@287.656,185.401 287.4,185.656 287.4,191.145 291.212,194.957 293.218,194.957 293.5,194.675 293.5,191.608 294.6,190.508 294.6,189.757 ; 292.2,5.91 292.2,8.51 292.4,8.71 293.266,8.71 ; 292.2,54.055 292.2,56.655 292.4,56.855 293.266,56.855 ; 292.2,102.2 292.2,104.8 292.4,105 293.266,105 ; 292.2,150.345 292.2,152.945 292.4,153.145 293.266,153.145 ; 292.4,8.672 294.6,8.672 ; 292.4,10.322 291.534,10.322 291.3,10.556 291.3,17.075 291.534,17.31 292.4,17.31 ; 292.4,13.083 292.4,12.872 292.4,11.91 293.5,10.81 293.5,8.71 ; 292.4,18.96 291.534,18.96 291.3,19.194 291.3,25.837 291.534,26.072 292.4,26.072 ; 292.4,21.683 292.488,21.683 292.7,21.472 292.7,20.678 293.5,19.878 293.5,16.513 292.7,15.713 292.7,14.833 292.6,14.733 ; 292.4,23.122 292.486,23.207 ; 292.4,27.722 291.534,27.722 291.3,27.956 291.3,34.637 291.534,34.872 292.4,34.872 ; 292.4,30.472 292.4,29.792 293.5,28.692 293.5,25.101 292.486,24.087 292.486,23.407 ; 292.4,32.122 292.4,32.91 293.5,34.01 293.5,37.41 292.4,38.51 292.4,38.872 ; 292.4,36.522 292.317,36.604 291.534,36.604 291.3,36.839 291.3,42.572 292.1,43.372 292.1,43.472 292.3,43.672 292.4,43.672 ; 292.4,40.922 292.4,41.91 293.5,43.01 293.5,45.97 292.4,47.07 292.4,47.672 ; 292.4,56.817 294.6,56.817 ; 292.4,58.467 291.534,58.467 291.3,58.701 291.3,65.221 291.534,65.455 292.4,65.455 ; 292.4,61.229 292.4,61.017 292.4,60.055 293.5,58.955 293.5,56.855 ; 292.4,67.105 291.534,67.105 291.3,67.339 291.3,73.982 291.534,74.217 292.4,74.217 ; 292.4,69.829 292.488,69.829 292.7,69.617 292.7,68.824 293.5,68.024 293.5,64.658 292.7,63.858 292.7,62.979 292.6,62.879 ; 292.4,71.267 292.486,71.353 ; 292.4,75.867 291.534,75.867 291.3,76.101 291.3,82.782 291.534,83.017 292.4,83.017 ; 292.4,78.617 292.4,77.937 293.5,76.837 293.5,73.247 292.486,72.232 292.486,71.553 ; 292.4,80.267 292.4,81.055 293.5,82.155 293.5,85.555 292.4,86.655 292.4,87.017 ; 292.4,84.667 292.317,84.75 291.534,84.75 291.3,84.984 291.3,90.717 292.1,91.517 292.1,91.617 292.3,91.817 292.4,91.817 ; 292.4,89.067 292.4,90.055 293.5,91.155 293.5,94.115 292.4,95.215 292.4,95.817 ; 292.4,104.962 294.6,104.962 ; 292.4,106.612 291.534,106.612 291.3,106.846 291.3,113.366 291.534,113.6 292.4,113.6 ; 292.4,109.374 292.4,109.162 292.4,108.2 293.5,107.1 293.5,105 ; 292.4,115.25 291.534,115.25 291.3,115.484 291.3,122.128 291.534,122.362 292.4,122.362 ; 292.4,117.974 292.488,117.974 292.7,117.762 292.7,116.969 293.5,116.169 293.5,112.804 292.7,112.004 292.7,111.124 292.6,111.024 ; 292.4,119.412 292.486,119.498 ; 292.4,124.012 291.534,124.012 291.3,124.246 291.3,130.928 291.534,131.162 292.4,131.162 ; 292.4,126.762 292.4,126.082 293.5,124.982 293.5,121.392 292.486,120.378 292.486,119.698 ; 292.4,128.412 292.4,129.2 293.5,130.3 293.5,133.7 292.4,134.8 292.4,135.162 ; 292.4,132.812 292.317,132.895 291.534,132.895 291.3,133.129 291.3,138.862 292.1,139.662 292.1,139.762 292.3,139.962 292.4,139.962 ; 292.4,137.212 292.4,138.2 293.5,139.3 293.5,142.26 292.4,143.36 292.4,143.962 ; 292.4,153.107 294.6,153.107 ; 292.4,154.757 291.534,154.757 291.3,154.991 291.3,161.511 291.534,161.745 292.4,161.745 ; 292.4,157.519 292.4,157.307 292.4,156.345 293.5,155.245 293.5,153.145 ; 292.4,163.395 291.534,163.395 291.3,163.629 291.3,170.273 291.534,170.507 292.4,170.507 ; 292.4,166.119 292.488,166.119 292.7,165.907 292.7,165.114 293.5,164.314 293.5,160.949 292.7,160.149 292.7,159.269 292.6,159.169 ; 292.4,167.557 292.486,167.643 ; 292.4,172.157 291.534,172.157 291.3,172.391 291.3,179.073 291.534,179.307 292.4,179.307 ; 292.4,174.907 292.4,174.227 293.5,173.127 293.5,169.537 292.486,168.523 292.486,167.843 ; 292.4,176.557 292.4,177.345 293.5,178.445 293.5,181.845 292.4,182.945 292.4,183.307 ; 292.4,180.957 292.317,181.04 291.534,181.04 291.3,181.274 291.3,187.007 292.1,187.807 292.1,187.907 292.3,188.107 292.4,188.107 ; 292.4,185.357 292.4,186.345 293.5,187.445 293.5,190.405 292.4,191.505 292.4,192.107 ; 294.493,39.31 294.731,39.072 295.238,39.072 295.8,38.51 295.8,32.91 295.212,32.322 294.8,32.322 294.6,32.122 ; 294.493,87.455 294.731,87.217 295.238,87.217 295.8,86.655 295.8,81.055 295.212,80.467 294.8,80.467 294.6,80.267 ; 294.493,135.6 294.731,135.362 295.238,135.362 295.8,134.8 295.8,129.2 295.212,128.612 294.8,128.612 294.6,128.412 ; 294.493,183.745 294.731,183.507 295.238,183.507 295.8,182.945 295.8,177.345 295.212,176.757 294.8,176.757 294.6,176.557 ; 294.6,8.472 294.8,8.672 294.962,8.672 295.162,8.872 295.7,9.41 295.7,12.41 295.226,12.883 294.866,12.883 294.64,13.11 ; 294.6,10.122 294.6,10.91 293.5,12.01 293.5,15.382 294.596,16.478 294.596,17.268 294.6,17.272 ; 294.6,18.922 294.6,19.91 293.5,21.01 293.5,22.673 293.5,23.97 294.6,25.07 294.6,26.072 ; 294.6,23.333 294.788,23.522 295.212,23.522 295.7,24.01 295.7,29.81 295.238,30.272 294.9,30.272 294.68,30.492 294.68,30.509 ; 294.6,27.722 294.436,27.886 294.436,28.887 293.5,29.823 293.5,31.99 293.5,32.77 294.596,33.866 294.596,34.868 294.6,34.872 ; 294.6,36.522 294.6,37.523 293.5,38.623 293.5,41.61 294.6,42.71 294.6,43.672 ; 294.6,40.922 294.8,41.122 295.212,41.122 295.8,41.71 295.8,46.572 294.7,47.672 294.6,47.672 ; 294.6,56.617 294.8,56.817 294.962,56.817 295.162,57.017 295.7,57.555 295.7,60.555 295.226,61.029 294.866,61.029 294.64,61.255 ; 294.6,58.267 294.6,59.055 293.5,60.155 293.5,63.527 294.596,64.623 294.596,65.413 294.6,65.417 ; 294.6,67.067 294.6,68.055 293.5,69.155 293.5,70.818 293.5,72.115 294.6,73.215 294.6,74.217 ; 294.6,71.479 294.788,71.667 295.212,71.667 295.7,72.155 295.7,77.955 295.238,78.417 294.9,78.417 294.68,78.637 294.68,78.654 ; 294.6,75.867 294.436,76.031 294.436,77.032 293.5,77.968 293.5,80.135 293.5,80.915 294.596,82.011 294.596,83.013 294.6,83.017 ; 294.6,84.667 294.6,85.668 293.5,86.768 293.5,89.755 294.6,90.855 294.6,91.817 ; 294.6,89.067 294.8,89.267 295.212,89.267 295.8,89.855 295.8,94.717 294.7,95.817 294.6,95.817 ; 294.6,104.762 294.8,104.962 294.962,104.962 295.162,105.162 295.7,105.7 295.7,108.7 295.226,109.174 294.866,109.174 294.64,109.4 ; 294.6,106.412 294.6,107.2 293.5,108.3 293.5,111.672 294.596,112.768 294.596,113.558 294.6,113.562 ; 294.6,115.212 294.6,116.2 293.5,117.3 293.5,118.963 293.5,120.26 294.6,121.36 294.6,122.362 ; 294.6,119.624 294.788,119.812 295.212,119.812 295.7,120.3 295.7,126.1 295.238,126.562 294.9,126.562 294.68,126.782 294.68,126.799 ; 294.6,124.012 294.436,124.176 294.436,125.178 293.5,126.113 293.5,128.28 293.5,129.06 294.596,130.156 294.596,131.158 294.6,131.162 ; 294.6,132.812 294.6,133.813 293.5,134.913 293.5,137.9 294.6,139 294.6,139.962 ; 294.6,137.212 294.8,137.412 295.212,137.412 295.8,138 295.8,142.862 294.7,143.962 294.6,143.962 ; 294.6,152.907 294.8,153.107 294.962,153.107 295.162,153.307 295.7,153.845 295.7,156.845 295.226,157.319 294.866,157.319 294.64,157.545 ; 294.6,154.557 294.6,155.345 293.5,156.445 293.5,159.817 294.596,160.913 294.596,161.703 294.6,161.707 ; 294.6,163.357 294.6,164.345 293.5,165.445 293.5,167.108 293.5,168.405 294.6,169.505 294.6,170.507 ; 294.6,167.769 294.788,167.957 295.212,167.957 295.7,168.445 295.7,174.245 295.238,174.707 294.9,174.707 294.68,174.927 294.68,174.944 ; 294.6,172.157 294.436,172.321 294.436,173.323 293.5,174.258 293.5,176.426 293.5,177.205 294.596,178.302 294.596,179.303 294.6,179.307 ; 294.6,180.957 294.6,181.958 293.5,183.058 293.5,186.045 294.6,187.145 294.6,188.107 ; 294.6,185.357 294.8,185.557 295.212,185.557 295.8,186.145 295.8,191.007 294.7,192.107 294.6,192.107 ; 294.631,21.71 294.869,21.472 295.238,21.472 295.7,21.01 295.7,15.41 295.224,14.933 294.9,14.933 294.8,14.833 ; 294.631,69.855 294.869,69.617 295.238,69.617 295.7,69.155 295.7,63.555 295.224,63.079 294.9,63.079 294.8,62.979 ; 294.631,118 294.869,117.762 295.238,117.762 295.7,117.3 295.7,111.7 295.224,111.224 294.9,111.224 294.8,111.124 ; 294.631,166.145 294.869,165.907 295.238,165.907 295.7,165.445 295.7,159.845 295.224,159.369 294.9,159.369 294.8,159.269